# Altium PCB relay_matrix.PcbDoc (part 1 of 9)
Units mm, origin at the board's own origin, x right, y up, seen from the top; angles counter-clockwise.
Board outline 330 x 220 mm, 2 copper layers (Top Layer, Bottom Layer); 498 components, 345 nets, 2134 pads, 717 vias.
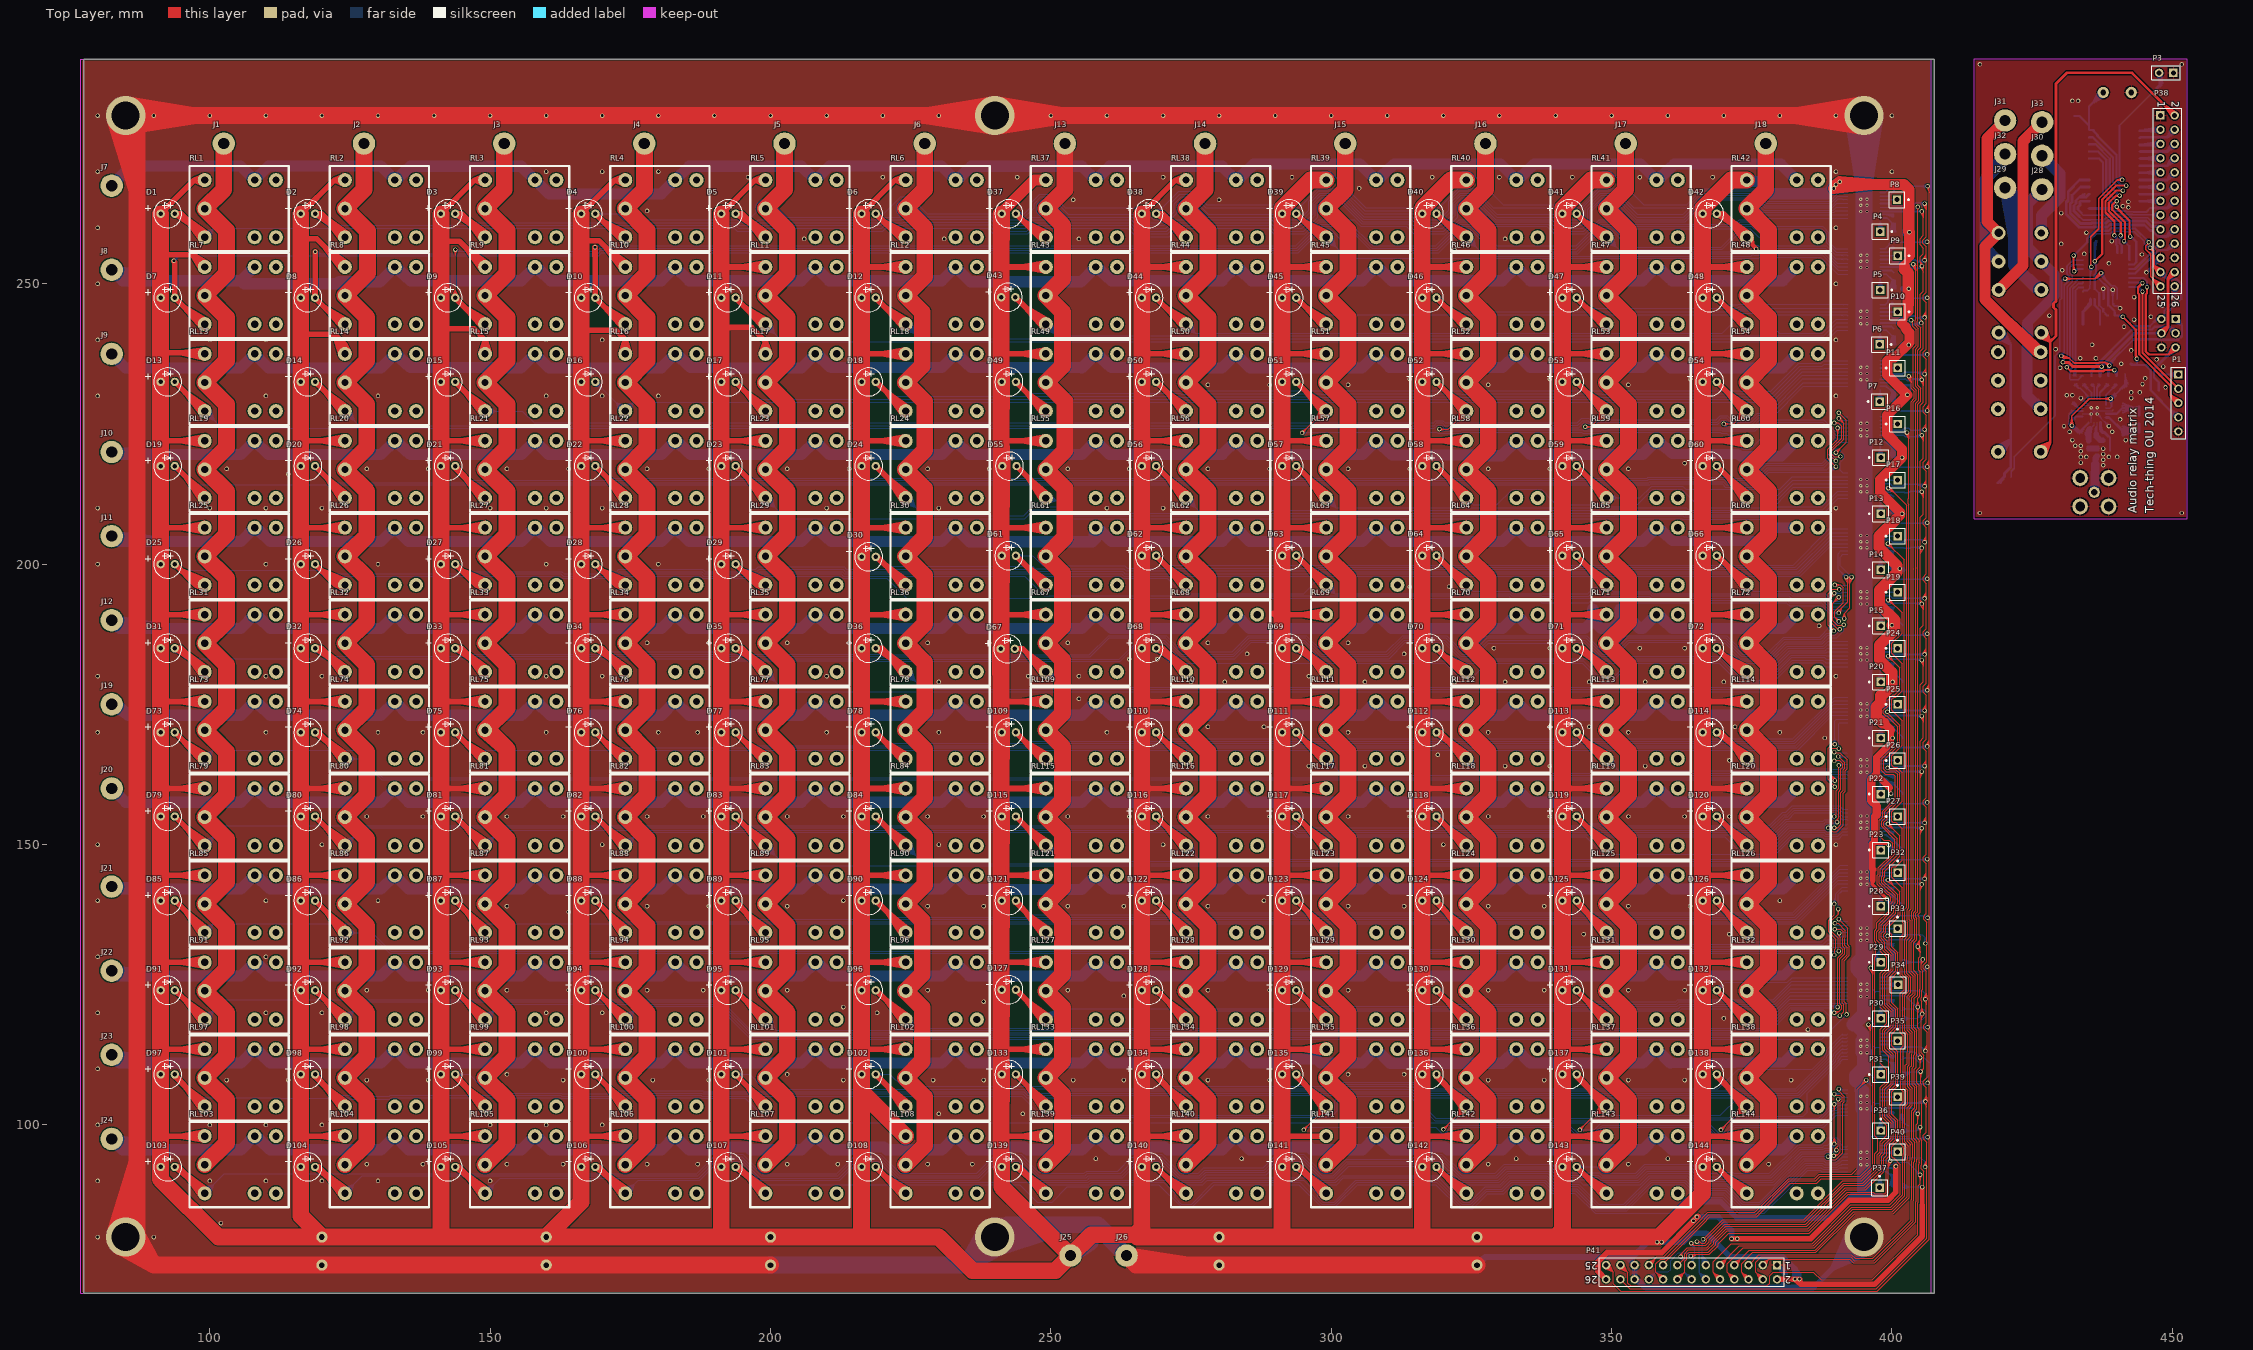
[diagram p0: Top Layer view]
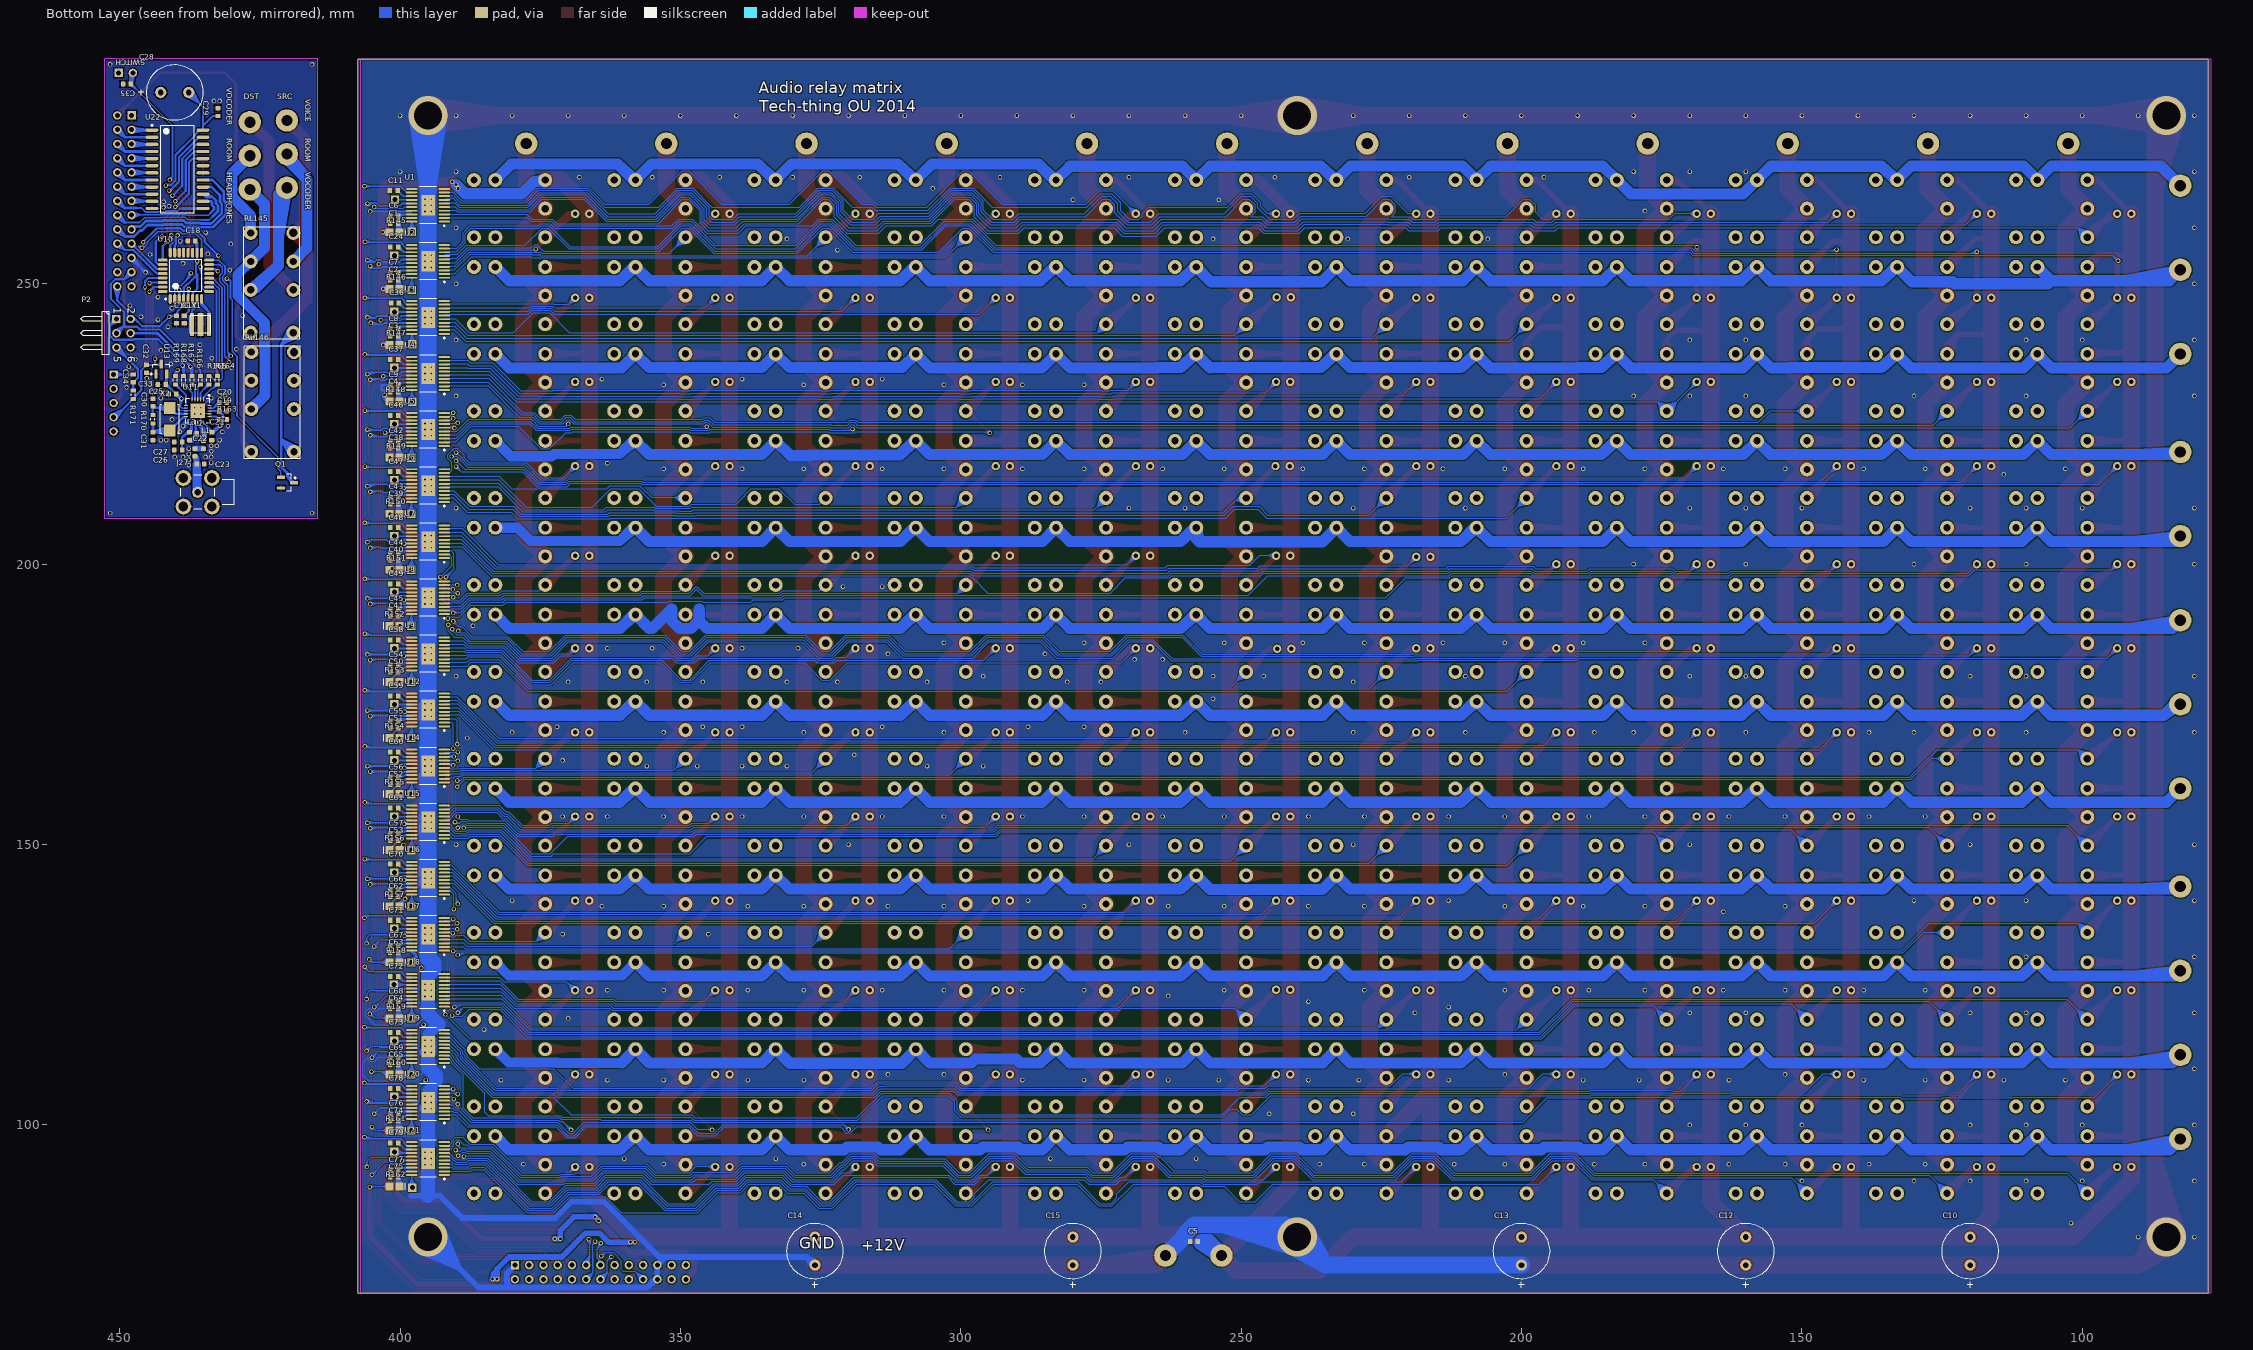
[diagram p1: Bottom Layer view, seen from below]

## Layer stack, top to bottom
Top Solder: solder mask 0.0102, Solder Resist, Dk 3.5
Top Layer: signal copper 0.0356
Dielectric1: dielectric 0.32, FR-4, Dk 4.8
Bottom Layer: signal copper 0.0356
Bottom Solder: solder mask 0.0102, Solder Resist, Dk 3.5

## Board outline
387.5,70 407.5,70 407.5,290 77.5,290 77.5,70

## Design rules (kind name [scope] priority, off if disabled: settings)
Clearance [All] p1: gap=0.2
HoleSize [All] p1: absolutevalues=TRUE maxlimit=10 minlimit=0.025 maxpercent=80.000 minpercent=20.000
MinimumSolderMaskSliver [All] p1 off: minsoldermaskwidth=0.254
PolygonConnect [IsVia] p1: connectstyle=Direct reliefconductorwidth=0.254 reliefentries=4 polygonreliefangle="90 Angle" airgapwidth=0.254
PolygonConnect PolygonConnect_1 [All] p2: connectstyle=Relief reliefconductorwidth=0.254 reliefentries=4 polygonreliefangle="90 Angle" airgapwidth=0.254
RoutingVias [All] p1: holewidth=0.5 width=0.8 viastyle="Through Hole" minholewidth=0.3 minwidth=0.6 maxholewidth=4 maxwidth=5
SilkToSilkClearance [All] p1 off: silktosilkclearance=0.254
SilkToSolderMaskClearance [IsPad] p1 off: minsilkscreentomaskgap=0.254 clearancetoexposedcopper=TRUE
SolderMaskExpansion [All] p1: expansion=0.102
UnpouredPolygon [All] p1: allowunpoured=FALSE
Width [All] p1: maxlimit=5 minlimit=0.2 preferedwidth=3 bottomlayer_prefwidth=0.3 minimp=50.000000 maximp=50.000000 favimp=50.000000
25 further rules are at their usual default settings.

## Classes and differential pairs
net class CONTROL_[0..143]: CONTROL_0 CONTROL_1 CONTROL_2 CONTROL_3 CONTROL_4 CONTROL_5 CONTROL_6 CONTROL_7 CONTROL_8 CONTROL_9 CONTROL_10 CONTROL_11 CONTROL_12 CONTROL_13 CONTROL_14 CONTROL_15 CONTROL_16 CONTROL_17 CONTROL_18 CONTROL_19 CONTROL_20 CONTROL_21 CONTROL_22 CONTROL_23 CONTROL_24 CONTROL_25 CONTROL_26 CONTROL_27 CONTROL_28 CONTROL_29 CONTROL_30 CONTROL_31 CONTROL_32 CONTROL_33 CONTROL_34 CONTROL_35 CONTROL_36 CONTROL_37 CONTROL_38 CONTROL_39 CONTROL_40 CONTROL_41 CONTROL_42 CONTROL_43 CONTROL_44 CONTROL_45 CONTROL_46 CONTROL_47 CONTROL_48 CONTROL_49 CONTROL_50 CONTROL_51 CONTROL_52 CONTROL_53 CONTROL_54 CONTROL_55 CONTROL_56 CONTROL_57 CONTROL_58 CONTROL_59 CONTROL_60 CONTROL_61 CONTROL_62 CONTROL_63 CONTROL_64 CONTROL_65 CONTROL_66 CONTROL_67 CONTROL_68 CONTROL_69 CONTROL_70 CONTROL_71 CONTROL_72 CONTROL_73 CONTROL_74 CONTROL_75 CONTROL_76 CONTROL_77 CONTROL_78 CONTROL_79 CONTROL_80 CONTROL_81 CONTROL_82 CONTROL_83 CONTROL_84 CONTROL_85 CONTROL_86 CONTROL_87 CONTROL_88 CONTROL_89 CONTROL_90 CONTROL_91 CONTROL_92 CONTROL_93 CONTROL_94 CONTROL_95 CONTROL_96 CONTROL_97 CONTROL_98 CONTROL_99 CONTROL_100 CONTROL_101 CONTROL_102 CONTROL_103 CONTROL_104 CONTROL_105 CONTROL_106 CONTROL_107 CONTROL_108 CONTROL_109 CONTROL_110 CONTROL_111 CONTROL_112 CONTROL_113 CONTROL_114 CONTROL_115 CONTROL_116 CONTROL_117 CONTROL_118 CONTROL_119 CONTROL_120 CONTROL_121 CONTROL_122 CONTROL_123 CONTROL_124 CONTROL_125 CONTROL_126 CONTROL_127 CONTROL_128 CONTROL_129 CONTROL_130 CONTROL_131 CONTROL_132 CONTROL_133 CONTROL_134 CONTROL_135 CONTROL_136 CONTROL_137 CONTROL_138 CONTROL_139 CONTROL_140 CONTROL_141 CONTROL_142 CONTROL_143
component class Relys1: D37 D38 D39 D40 D41 D42 D43 D44 D45 D46 D47 D48 D49 D50 D51 D52 D53 D54 D55 D56 D57 D58 D59 D60 D61 D62 D63 D64 D65 D66 D67 D68 D69 D70 D71 D72 J13 J14 J15 J16 J17 J18 RL37 RL38 RL39 RL40 RL41 RL42 RL43 RL44 RL45 RL46 RL47 RL48 RL49 RL50 RL51 RL52 RL53 RL54 RL55 RL56 RL57 RL58 RL59 RL60 RL61 RL62 RL63 RL64 RL65 RL66 RL67 RL68 RL69 RL70 RL71 RL72
component class Relays3: D109 D110 D111 D112 D113 D114 D115 D116 D117 D118 D119 D120 D121 D122 D123 D124 D125 D126 D127 D128 D129 D130 D131 D132 D133 D134 D135 D136 D137 D138 D139 D140 D141 D142 D143 D144 RL109 RL110 RL111 RL112 RL113 RL114 RL115 RL116 RL117 RL118 RL119 RL120 RL121 RL122 RL123 RL124 RL125 RL126 RL127 RL128 RL129 RL130 RL131 RL132 RL133 RL134 RL135 RL136 RL137 RL138 RL139 RL140 RL141 RL142 RL143 RL144
component class Relays2: D73 D74 D75 D76 D77 D78 D79 D80 D81 D82 D83 D84 D85 D86 D87 D88 D89 D90 D91 D92 D93 D94 D95 D96 D97 D98 D99 D100 D101 D102 D103 D104 D105 D106 D107 D108 J19 J20 J21 J22 J23 J24 RL73 RL74 RL75 RL76 RL77 RL78 RL79 RL80 RL81 RL82 RL83 RL84 RL85 RL86 RL87 RL88 RL89 RL90 RL91 RL92 RL93 RL94 RL95 RL96 RL97 RL98 RL99 RL100 RL101 RL102 RL103 RL104 RL105 RL106 RL107 RL108
component class Relays0: D1 D2 D3 D4 D5 D6 D7 D8 D9 D10 D11 D12 D13 D14 D15 D16 D17 D18 D19 D20 D21 D22 D23 D24 D25 D26 D27 D28 D29 D30 D31 D32 D33 D34 D35 D36 J1 J2 J3 J4 J5 J6 J7 J8 J9 J10 J11 J12 RL1 RL2 RL3 RL4 RL5 RL6 RL7 RL8 RL9 RL10 RL11 RL12 RL13 RL14 RL15 RL16 RL17 RL18 RL19 RL20 RL21 RL22 RL23 RL24 RL25 RL26 RL27 RL28 RL29 RL30 RL31 RL32 RL33 RL34 RL35 RL36
component class Drivers: C1 C2 C3 C4 C5 C6 C7 C8 C9 C10 C11 C12 C13 C14 C15 C24 C36 C37 C38 C39 C40 C41 C42 C43 C44 C45 C46 C47 C48 C49 C50 C51 C52 C53 C54 C55 C56 C57 C58 C59 C60 C61 C62 C63 C64 C65 C66 C67 C68 C69 C70 C71 C72 C73 C74 C75 C76 C77 C78 C79 J25 J26 P4 P5 P6 P7 P8 P9 P10 P11 P12 P13 P14 P15 P16 P17 P18 P19 P20 P21 P22 P23 P24 P25 P26 P27 P28 P29 P30 P31 P32 P33 P34 P35 P36 P37 P39 P40 P41 R145 R146 R147 R148 R149 R150 R151 R152 R153 R154 R155 R156 R157 R158 R159 R160 R161 R162 U1 U2 U3 U4 U5 U6 U7 U8 U9 U12 U14 U15 U16 U17 U18 U19 U20 U21
net class AUDIO_[0..11]: AUDIO_0 AUDIO_1 AUDIO_2 AUDIO_3 AUDIO_4 AUDIO_5 AUDIO_6 AUDIO_7 AUDIO_8 AUDIO_9 AUDIO_10 AUDIO_11
component class relay_matrix: C16 C17 C18 C19 C20 C21 C22 C23 C25 C26 C27 C28 C29 C30 C31 C32 C33 C34 C35 J27 J28 J29 J30 J31 J32 J33 L1 L2 L3 P1 P2 P3 P38 Q1 R163 R164 R165 R166 R167 R168 R169 R170 R171 RL145 RL146 U10 U11 U13 U22 X1 X2

## Components (designator, comment, footprint, x,y, rotation, side; value= is the part's Value field where it differs from the comment)
C1 "Cap Semi" 1608[0603] 401,260.8 r180 bottom
C2 "Cap Semi" 1608[0603] 401,250.7 r180 bottom
C3 "Cap Semi" 1608[0603] 401,240.7 r180 bottom
C4 "Cap Semi" 1608[0603] 401,230.75 r180 bottom
C5 "Cap Semi" 1608[0603] 258.4,79.2 r0 bottom
C6 "Cap Semi" 1608[0603] 401,262.1 r180 bottom
C7 "Cap Semi" 1608[0603] 401,252 r180 bottom
C8 "Cap Semi" 1608[0603] 401,242 r180 bottom
C9 "Cap Semi" 1608[0603] 401,232 r180 bottom
C10 "Cap2" CAP_10X16MM 120,80 r270 bottom
C11 "Cap Semi" 1608[0603] 401.1,266.6 r180 bottom
C12 "Cap2" CAP_10X16MM 160,80 r270 bottom
C13 "Cap2" CAP_10X16MM 200,80 r270 bottom
C14 "Cap2" CAP_10X16MM 326,80 r270 bottom
C15 "Cap2" CAP_10X16MM 280,80 r270 bottom
C16 "Cap Semi" 1608[0603] 439.875,243.624 r270 bottom
C17 "Cap Semi" 1608[0603] 438.475,243.624 r270 bottom
C18 "Cap Semi" 1608[0603] 437.175,257.624 r0 bottom
C19 "Cap Semi" 1608[0603] 431.575,227.324 r0 bottom
C20 "Cap Semi" 1608[0603] 431.575,228.824 r0 bottom
C21 "Cap Semi" 1608[0603] 433.575,222.824 r270 bottom
C22 "Cap Semi" 1608[0603] 436.575,219.924 r270 bottom
C23 "Cap Semi" 1608[0603] 435.575,217.824 r180 bottom
C24 "Cap Semi" 1608[0603] 401,256.6 r180 bottom
C25 "Cap Semi" 1608[0603] 440.575,230.324 r0 bottom
C26 "Cap Semi" 1608[0603] 439.575,220.324 r0 bottom
C27 "Cap Semi" 1608[0603] 439.575,221.824 r0 bottom
C28 "Cap2" CAP_10X16MM 437.675,284.124 r0 bottom
C29 "Cap Semi" 1608[0603] 432.475,280.624 r90 bottom
C30 "Cap Semi" 1608[0603] 444.075,228.824 r90 bottom
C31 "Cap Semi" 1608[0603] 444.075,222.824 r270 bottom
C32 "Cap Semi" 1608[0603] 445.175,234.824 r270 bottom
C33 "Cap Semi" 1608[0603] 442.475,232.024 r0 bottom
C34 "Cap Semi" 1608[0603] 447.575,233.124 r90 bottom
C35 "Cap Semi" 1608[0603] 448.675,285.624 r0 bottom
C36 "Cap Semi" 1608[0603] 400.9,246.6 r180 bottom
C37 "Cap Semi" 1608[0603] 401,236.5 r180 bottom
C38 "Cap Semi" 1608[0603] 401,220.75 r180 bottom
C39 "Cap Semi" 1608[0603] 401,210.75 r180 bottom
C40 "Cap Semi" 1608[0603] 401,200.75 r180 bottom
C41 "Cap Semi" 1608[0603] 401,190.75 r180 bottom
C42 "Cap Semi" 1608[0603] 401,222 r180 bottom
C43 "Cap Semi" 1608[0603] 401,212 r180 bottom
C44 "Cap Semi" 1608[0603] 401,202 r180 bottom
C45 "Cap Semi" 1608[0603] 401,192 r180 bottom
C46 "Cap Semi" 1608[0603] 401,226.5 r180 bottom
C47 "Cap Semi" 1608[0603] 401,216.5 r180 bottom
C48 "Cap Semi" 1608[0603] 401,206.5 r180 bottom
C49 "Cap Semi" 1608[0603] 401,196.5 r180 bottom
C50 "Cap Semi" 1608[0603] 401,180.75 r180 bottom
C51 "Cap Semi" 1608[0603] 401,170.75 r180 bottom
C52 "Cap Semi" 1608[0603] 401,160.75 r180 bottom
C53 "Cap Semi" 1608[0603] 401,150.75 r180 bottom
C54 "Cap Semi" 1608[0603] 401,182 r180 bottom
C55 "Cap Semi" 1608[0603] 401,172 r180 bottom
C56 "Cap Semi" 1608[0603] 401,162 r180 bottom
C57 "Cap Semi" 1608[0603] 401,152 r180 bottom
C58 "Cap Semi" 1608[0603] 401,186.5 r180 bottom
C59 "Cap Semi" 1608[0603] 401,176.5 r180 bottom
C60 "Cap Semi" 1608[0603] 401,166.5 r180 bottom
C61 "Cap Semi" 1608[0603] 401,156.5 r180 bottom
C62 "Cap Semi" 1608[0603] 401,140.75 r180 bottom
C63 "Cap Semi" 1608[0603] 401,130.75 r180 bottom
C64 "Cap Semi" 1608[0603] 401,120.75 r180 bottom
C65 "Cap Semi" 1608[0603] 401,110.75 r180 bottom
C66 "Cap Semi" 1608[0603] 401,142 r180 bottom
C67 "Cap Semi" 1608[0603] 401,132 r180 bottom
C68 "Cap Semi" 1608[0603] 401,122 r180 bottom
C69 "Cap Semi" 1608[0603] 401,112 r180 bottom
C70 "Cap Semi" 1608[0603] 401,146.5 r180 bottom
C71 "Cap Semi" 1608[0603] 401,136.5 r180 bottom
C72 "Cap Semi" 1608[0603] 401,126.5 r180 bottom
C73 "Cap Semi" 1608[0603] 401,116.5 r180 bottom
C74 "Cap Semi" 1608[0603] 401,100.75 r180 bottom
C75 "Cap Semi" 1608[0603] 401,90.75 r180 bottom
C76 "Cap Semi" 1608[0603] 401,102 r180 bottom
C77 "Cap Semi" 1608[0603] 401,92 r180 bottom
C78 "Cap Semi" 1608[0603] 401,106.5 r180 bottom
C79 "Cap Semi" 1608[0603] 401,96.75 r180 bottom
D1 "LED0" LED_ROUND_5MM 92.5,262.5 r0 top locked
D2 "LED0" LED_ROUND_5MM 117.5,262.5 r0 top locked
D3 "LED0" LED_ROUND_5MM 142.5,262.5 r0 top locked
D4 "LED0" LED_ROUND_5MM 167.5,262.5 r0 top locked
D5 "LED0" LED_ROUND_5MM 192.5,262.5 r0 top locked
D6 "LED0" LED_ROUND_5MM 217.5,262.5 r0 top locked
D7 "LED0" LED_ROUND_5MM 92.5,247.5 r0 top locked
D8 "LED0" LED_ROUND_5MM 117.5,247.5 r0 top locked
D9 "LED0" LED_ROUND_5MM 142.5,247.5 r0 top locked
D10 "LED0" LED_ROUND_5MM 167.5,247.5 r0 top locked
D11 "LED0" LED_ROUND_5MM 192.5,247.5 r0 top locked
D12 "LED0" LED_ROUND_5MM 217.5,247.5 r0 top locked
D13 "LED0" LED_ROUND_5MM 92.5,232.5 r0 top locked
D14 "LED0" LED_ROUND_5MM 117.5,232.5 r0 top locked
D15 "LED0" LED_ROUND_5MM 142.5,232.5 r0 top locked
D16 "LED0" LED_ROUND_5MM 167.5,232.5 r0 top locked
D17 "LED0" LED_ROUND_5MM 192.5,232.5 r0 top locked
D18 "LED0" LED_ROUND_5MM 217.5,232.5 r0 top locked
D19 "LED0" LED_ROUND_5MM 92.5,217.5 r0 top locked
D20 "LED0" LED_ROUND_5MM 117.5,217.5 r0 top locked
D21 "LED0" LED_ROUND_5MM 142.5,217.5 r0 top locked
D22 "LED0" LED_ROUND_5MM 167.5,217.5 r0 top locked
D23 "LED0" LED_ROUND_5MM 192.5,217.5 r0 top locked
D24 "LED0" LED_ROUND_5MM 217.5,217.5 r0 top locked
D25 "LED0" LED_ROUND_5MM 92.5,200 r0 top locked
D26 "LED0" LED_ROUND_5MM 117.5,200 r0 top locked
D27 "LED0" LED_ROUND_5MM 142.5,200 r0 top locked
D28 "LED0" LED_ROUND_5MM 167.5,200 r0 top locked
D29 "LED0" LED_ROUND_5MM 192.5,200 r0 top locked
D30 "LED0" LED_ROUND_5MM 217.5,201.3 r0 top locked
D31 "LED0" LED_ROUND_5MM 92.5,185 r0 top locked
D32 "LED0" LED_ROUND_5MM 117.5,185 r0 top locked
D33 "LED0" LED_ROUND_5MM 142.5,185 r0 top locked
D34 "LED0" LED_ROUND_5MM 167.5,185 r0 top locked
D35 "LED0" LED_ROUND_5MM 192.5,185 r0 top locked
D36 "LED0" LED_ROUND_5MM 217.5,185 r0 top locked
D37 "LED0" LED_ROUND_5MM 242.5,262.5 r0 top locked
D38 "LED0" LED_ROUND_5MM 267.5,262.5 r0 top locked
D39 "LED0" LED_ROUND_5MM 292.5,262.5 r0 top locked
D40 "LED0" LED_ROUND_5MM 317.5,262.5 r0 top locked
D41 "LED0" LED_ROUND_5MM 342.5,262.5 r0 top locked
D42 "LED0" LED_ROUND_5MM 367.5,262.5 r0 top locked
D43 "LED0" LED_ROUND_5MM 242.4,247.6 r0 top locked
D44 "LED0" LED_ROUND_5MM 267.5,247.5 r0 top locked
D45 "LED0" LED_ROUND_5MM 292.5,247.5 r0 top locked
D46 "LED0" LED_ROUND_5MM 317.5,247.5 r0 top locked
D47 "LED0" LED_ROUND_5MM 342.5,247.5 r0 top locked
D48 "LED0" LED_ROUND_5MM 367.5,247.5 r0 top locked
D49 "LED0" LED_ROUND_5MM 242.5,232.5 r0 top locked
D50 "LED0" LED_ROUND_5MM 267.5,232.5 r0 top locked
D51 "LED0" LED_ROUND_5MM 292.5,232.5 r0 top locked
D52 "LED0" LED_ROUND_5MM 317.5,232.5 r0 top locked
D53 "LED0" LED_ROUND_5MM 342.5,232.5 r0 top locked
D54 "LED0" LED_ROUND_5MM 367.5,232.5 r0 top locked
D55 "LED0" LED_ROUND_5MM 242.6,217.5 r0 top locked
D56 "LED0" LED_ROUND_5MM 267.5,217.5 r0 top locked
D57 "LED0" LED_ROUND_5MM 292.5,217.5 r0 top locked
D58 "LED0" LED_ROUND_5MM 317.5,217.5 r0 top locked
D59 "LED0" LED_ROUND_5MM 342.5,217.5 r0 top locked
D60 "LED0" LED_ROUND_5MM 367.5,217.5 r0 top locked
D61 "LED0" LED_ROUND_5MM 242.5,201.5 r0 top locked
D62 "LED0" LED_ROUND_5MM 267.5,201.5 r0 top locked
D63 "LED0" LED_ROUND_5MM 292.5,201.5 r0 top locked
D64 "LED0" LED_ROUND_5MM 317.5,201.5 r0 top locked
D65 "LED0" LED_ROUND_5MM 342.5,201.5 r0 top locked
D66 "LED0" LED_ROUND_5MM 367.5,201.5 r0 top locked
D67 "LED0" LED_ROUND_5MM 242.3,184.9 r0 top locked
D68 "LED0" LED_ROUND_5MM 267.5,185 r0 top locked
D69 "LED0" LED_ROUND_5MM 292.5,185 r0 top locked
D70 "LED0" LED_ROUND_5MM 317.5,185 r0 top locked
D71 "LED0" LED_ROUND_5MM 342.5,185 r0 top locked
D72 "LED0" LED_ROUND_5MM 367.5,185 r0 top locked
D73 "LED0" LED_ROUND_5MM 92.5,170 r0 top locked
D74 "LED0" LED_ROUND_5MM 117.5,170 r0 top locked
D75 "LED0" LED_ROUND_5MM 142.5,170 r0 top locked
D76 "LED0" LED_ROUND_5MM 167.5,170 r0 top locked
D77 "LED0" LED_ROUND_5MM 192.5,170 r0 top locked
D78 "LED0" LED_ROUND_5MM 217.5,170 r0 top locked
D79 "LED0" LED_ROUND_5MM 92.5,155 r0 top locked
D80 "LED0" LED_ROUND_5MM 117.5,155 r0 top locked
D81 "LED0" LED_ROUND_5MM 142.5,155 r0 top locked
D82 "LED0" LED_ROUND_5MM 167.5,155 r0 top locked
D83 "LED0" LED_ROUND_5MM 192.5,155 r0 top locked
D84 "LED0" LED_ROUND_5MM 217.5,155 r0 top locked
D85 "LED0" LED_ROUND_5MM 92.5,140 r0 top locked
D86 "LED0" LED_ROUND_5MM 117.5,140 r0 top locked
D87 "LED0" LED_ROUND_5MM 142.5,140 r0 top locked
D88 "LED0" LED_ROUND_5MM 167.5,140 r0 top locked
D89 "LED0" LED_ROUND_5MM 192.5,140 r0 top locked
D90 "LED0" LED_ROUND_5MM 217.5,140 r0 top locked
D91 "LED0" LED_ROUND_5MM 92.5,124 r0 top locked
D92 "LED0" LED_ROUND_5MM 117.5,124 r0 top locked
D93 "LED0" LED_ROUND_5MM 142.5,124 r0 top locked
D94 "LED0" LED_ROUND_5MM 167.5,124 r0 top locked
D95 "LED0" LED_ROUND_5MM 192.5,124 r0 top locked
D96 "LED0" LED_ROUND_5MM 217.5,124 r0 top locked
D97 "LED0" LED_ROUND_5MM 92.5,109 r0 top locked
D98 "LED0" LED_ROUND_5MM 117.5,109 r0 top locked
D99 "LED0" LED_ROUND_5MM 142.5,109 r0 top locked
D100 "LED0" LED_ROUND_5MM 167.5,109 r0 top locked
D101 "LED0" LED_ROUND_5MM 192.5,109 r0 top locked
D102 "LED0" LED_ROUND_5MM 217.5,109 r0 top locked
D103 "LED0" LED_ROUND_5MM 92.5,92.5 r0 top locked
D104 "LED0" LED_ROUND_5MM 117.5,92.5 r0 top locked
D105 "LED0" LED_ROUND_5MM 142.5,92.5 r0 top locked
D106 "LED0" LED_ROUND_5MM 167.5,92.5 r0 top locked
D107 "LED0" LED_ROUND_5MM 192.5,92.5 r0 top locked
D108 "LED0" LED_ROUND_5MM 217.5,92.5 r0 top locked
D109 "LED0" LED_ROUND_5MM 242.5,170 r0 top locked
D110 "LED0" LED_ROUND_5MM 267.5,170 r0 top locked
D111 "LED0" LED_ROUND_5MM 292.5,170 r0 top locked